# KiCad board Hub.kicad_pcb (continued)
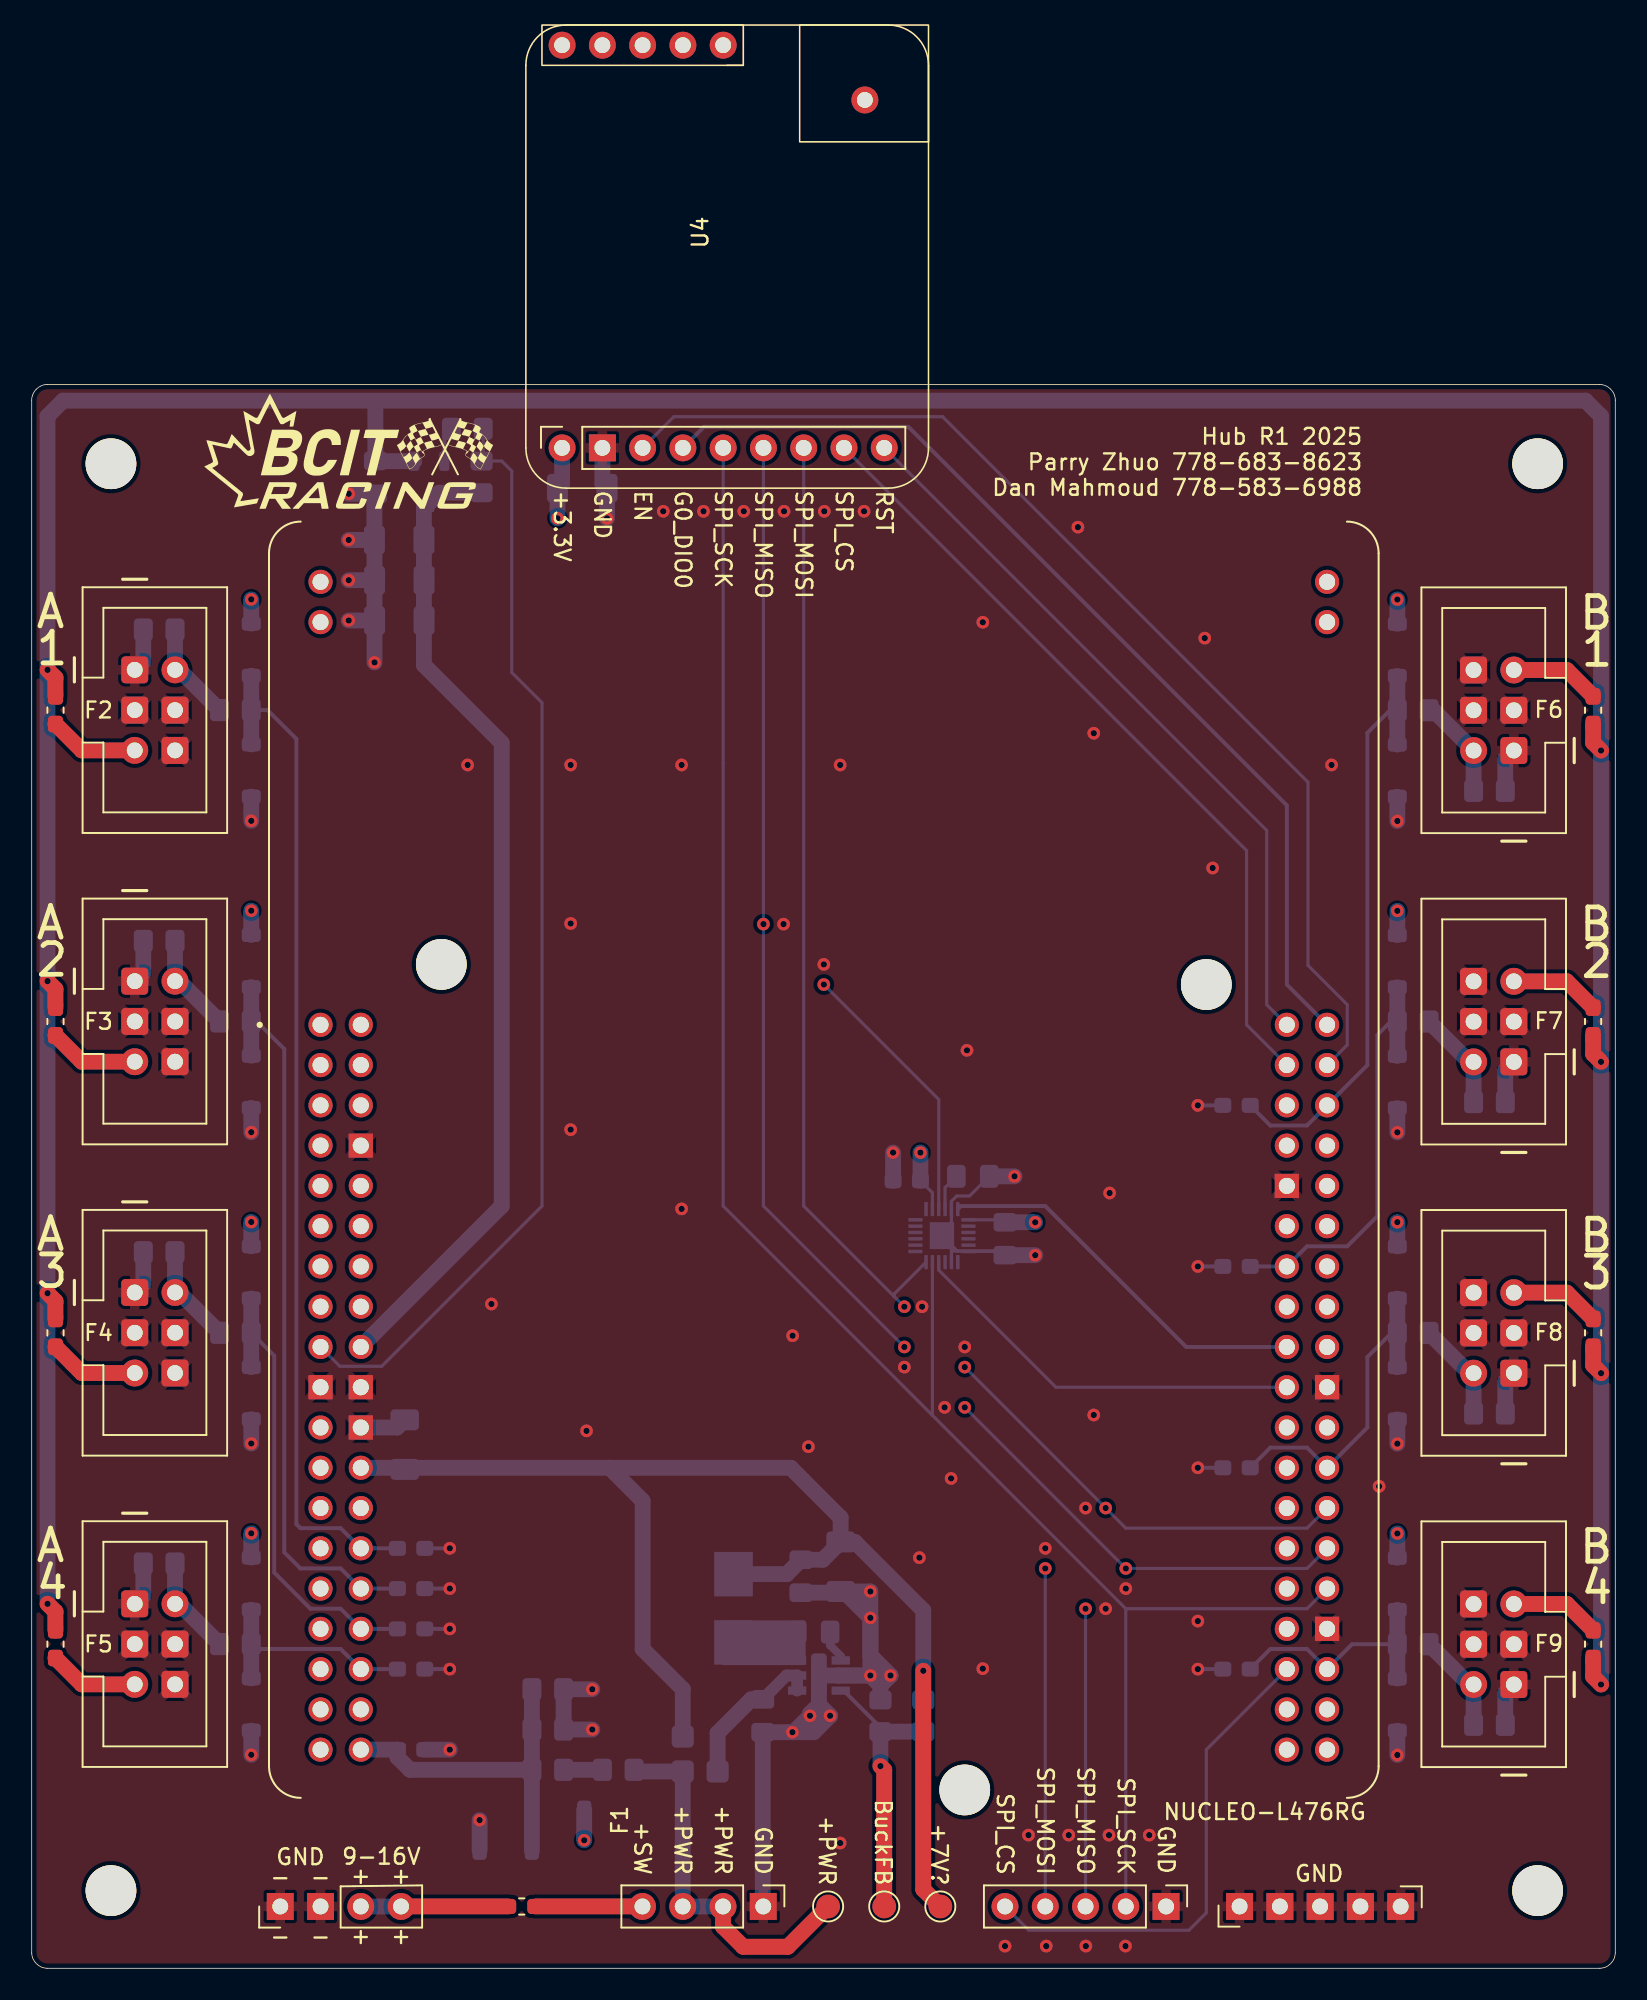
[diagram p0: board, top side]
## Library data of the parts (continued)
F2 = -: Datasheet: https://datasheets.kyocera-avx.com/AccuGuardLC_0402.pdf; Description: FUSE BOARD MOUNT 28MA 63VDC 0603; Detailed Description: 28 mA 63 V Fuse Board Mount (Cartridge Style Excluded) Surface Mount 0603 (1608 Metric); Manufacturer: KYOCERA AVX; Manufacturer Part Number: F0603G0R02FNTR; Qty Multiplier: 6; Package: 0603 (1608 Metric); DigiKey Link: https://www.digikey.ca/en/products/detail/kyocera-avx/F0603G0R02FNTR/9948432; DigiKey Part Number: 478-13097-1-ND; Mouser Link: https://www.mouser.ca/ProductDetail/KYOCERA-AVX/F0603G0R02FNTR?qs=%252BdQmOuGyFcEJ7yNI5Fr0SQ%3D%3D; Mouser Part Number: 581-F0603G0R02FNTR; ki_fp_filters: *Fuse*
F3-F9 = -: Datasheet: https://datasheets.kyocera-avx.com/AccuGuardLC_0402.pdf; Description: FUSE BOARD MOUNT 28MA 63VDC 0603; Detailed Description: 28 mA 63 V Fuse Board Mount (Cartridge Style Excluded) Surface Mount 0603 (1608 Metric); Manufacturer: KYOCERA AVX; Manufacturer Part Number: F0603G0R02FNTR; Package: 0603 (1608 Metric); DigiKey Link: https://www.digikey.ca/en/products/detail/kyocera-avx/F0603G0R02FNTR/9948432; DigiKey Part Number: 478-13097-1-ND; Mouser Link: https://www.mouser.ca/ProductDetail/KYOCERA-AVX/F0603G0R02FNTR?qs=%252BdQmOuGyFcEJ7yNI5Fr0SQ%3D%3D; Mouser Part Number: 581-F0603G0R02FNTR; ki_fp_filters: *Fuse*
H1-H4 = -: Description: Mounting Hole without connection; ki_fp_filters: MountingHole*
J3 = -: Description: External case switch header; ki_fp_filters: Connector*:*_1x??_*
J4 J5 = -: Description: Generic connector, single row, 01x05, script generated (kicad-library-utils/schlib/autogen/connector/); ki_fp_filters: Connector*:*_1x??_*
J6-J13 = -: Datasheet: https://app.adam-tech.com/products/download/data_sheet/203218/bhr-xx-vua-data-sheet.pdf; Description: CONN HEADER VERT 6POS 2.54MM; Detailed Description: Connector Header Through Hole 6 position 0.100" (2.54mm); Manufacturer: Adam Tech; Manufacturer Part Number: BHR-06-VUA; Package: n/a; DigiKey Link: https://www.digikey.ca/en/products/detail/adam-tech/BHR-06-VUA/10414837; DigiKey Part Number: 2057-BHR-06-VUA-ND; Mouser Link: https://www.mouser.ca/ProductDetail/Adam-Tech/BHR-06-VUA?qs=HoCaDK9Nz5cobId%2FEjMHxg%3D%3D; Mouser Part Number: 737-BHR-06-VUA; ki_fp_filters: Connector*:*_2x??_*
J20 = -: Description: Generic connector, single row, 01x04, script generated (kicad-library-utils/schlib/autogen/connector/); ki_fp_filters: Connector*:*_1x??_*
L1 = -: Datasheet: https://search.murata.co.jp/Ceramy/image/img/P02/JELF243A-9153.pdf; Description: FIXED IND 150UH 330MA 2.64OHM SM; Manufacturer: Murata Electronics; Manufacturer Part Number: LQH44PH151MPRL; Detailed Description: 150 µH Shielded Drum Core, Wirewound Inductor 330 mA 2.64Ohm Max 1616 (4040 Metric); Package: 1616 (4040 Metric); DigiKey Link: https://www.digikey.com/en/products/detail/murata-electronics/LQH44PH151MPRL/11690210; DigiKey Part Number: 490-LQH44PH151MPRLCT-ND; Mouser Link: https://www.mouser.ca/ProductDetail/Murata-Electronics/LQH44PH151MPRL?qs=rkhjVJ6%2F3EJ9BU%2FIW%252BFNJA%3D%3D; Mouser Part Number: 81-LQH44PH151MPRL; ki_fp_filters: Choke_* *Coil* Inductor_* L_*
Q3 = -: Datasheet: https://www.diodes.com/assets/Datasheets/ZXMP10A13F.pdf; Description: MOSFET P-CH 100V 600MA SOT23-3; Manufacturer: Diodes Incorporated; Detailed Description: P-Channel 100 V 600mA (Ta) 625mW (Ta) Surface Mount SOT-23-3; Manufacturer Part Number: ZXMP10A13FTA; Package: TO-236-3, SC-59, SOT-23-3; DigiKey Link: https://www.digikey.ca/en/products/detail/diodes-incorporated/ZXMP10A13FTA/560644; DigiKey Part Number: ZXMP10A13FTR-ND; Mouser Link: https://www.mouser.ca/ProductDetail/Diodes-Incorporated/ZXMP10A13FTA?qs=4zh0VFflF2ED5l%2FE78e7YQ%3D%3D; Mouser Part Number: 522-ZXMP10A13FTA
R1 = -: Datasheet: https://www.vishay.com/docs/20043/crcwhpe3.pdf; Description: RES SMD 0 OHM JUMPER 1/2W 0805; Detailed Description: 0 Ohms Jumper Chip Resistor 0805 (2012 Metric) Automotive AEC-Q200, Pulse Withstanding Thick Film; Manufacturer: Vishay Dale; Manufacturer Part Number: CRCW08050000Z0EA; Package: 0805 (2012 Metric); DigiKey Link: https://www.digikey.com/en/products/detail/vishay-dale/CRCW08050000Z0EAHP/2222316; DigiKey Part Number: 541-0.0TBCT-ND; Mouser Link: https://www.mouser.ca/ProductDetail/Vishay/CRCW08050000Z0EA?qs=waxnFHLl2hB4NcTp6tAQPA%3D%3D; Mouser Part Number: 71-CRCW0805-0-E3; ki_fp_filters: R_*
R2 R11 R13 R15 R17 R19 R21 R23 = -: Datasheet: https://www.vishay.com/docs/20035/dcrcwe3.pdf; Description: RES SMD 100 OHM 1% 1/8W 0805; Manufacturer Part Number: CRCW0805100RFKEA; Manufacturer: Vishay Dale; Detailed Description: 100 Ohms ±1% 0.125W, 1/8W Chip Resistor 0805 (2012 Metric) Automotive AEC-Q200 Thick Film; Package: 0805 (2012 Metric); DigiKey Link: https://www.digikey.ca/en/products/detail/vishay-dale/CRCW0805100RFKEA/1175523; DigiKey Part Number: 541-100CCT-ND; Mouser Link: https://www.mouser.ca/ProductDetail/Vishay/CRCW0805100RFKEA?qs=LOX6nxTstiYDPDKmuLyNLw%3D%3D; Mouser Part Number: 71-CRCW0805-100-E3; ki_fp_filters: R_*
R3 = -: Datasheet: https://www.vishay.com/docs/20035/dcrcwe3.pdf; Description: RES SMD 76.8K OHM 1% 1/8W 0805; Manufacturer: Vishay Dale; Manufacturer Part Number: CRCW080576K8FKEA; Detailed Description: 76.8 kOhms ±1% 0.125W, 1/8W Chip Resistor 0805 (2012 Metric) Automotive AEC-Q200 Thick Film; Package: 0805 (2012 Metric); DigiKey Link: https://www.digikey.com/en/products/detail/vishay-dale/CRCW080576K8FKEA/1175852; DigiKey Part Number: 541-76.8KCCT-ND; Mouser Link: https://www.mouser.ca/ProductDetail/Vishay/CRCW080576K8FKEA?qs=Lu3mkJd%252BoBETDVTzIaHY%2FQ%3D%3D; Mouser Part Number: 71-CRCW080576K8FKEA; ki_fp_filters: R_*
R4 = -: Datasheet: https://www.vishay.com/docs/28773/crcwce3.pdf; Description: RES 10K OHM 1% 1/8W 0805; Manufacturer Part Number: CRCW080510K0FKEAC; Manufacturer: Vishay Dale; Detailed Description: 10 kOhms ±1% 0.125W, 1/8W Chip Resistor 0805 (2012 Metric) Thick Film; Package: 0805 (2012 Metric); DigiKey Link: https://www.digikey.com/en/products/detail/vishay-dale/CRCW080510K0FKEAC/7928398; DigiKey Part Number: 541-3976-1-ND; Mouser Link: https://www.mouser.ca/ProductDetail/Vishay/CRCW080510K0FKEAC?qs=E3Y5ESvWgWORadmUijPtxQ%3D%3D; Mouser Part Number: 71-CRCW080510K0FKEAC; ki_fp_filters: R_*
R5-R9 R25 = -: Datasheet: https://www.vishay.com/docs/20035/dcrcwe3.pdf; Description: RES SMD 10K OHM 1% 1/8W 0805; Manufacturer Part Number: CRCW080510K0FKEA; Manufacturer: Vishay Dale; Detailed Description: 10 kOhms ±1% 0.125W, 1/8W Chip Resistor 0805 (2012 Metric) Automotive AEC-Q200 Thick Film; Package: 0805 (2012 Metric); DigiKey Link: https://www.digikey.ca/en/products/detail/vishay-dale/CRCW080510K0FKEA/1175751; DigiKey Part Number: 541-10.0KCCT-ND; Mouser Link: https://www.mouser.ca/ProductDetail/Vishay/CRCW080510K0FKEA?qs=LOX6nxTstiZjDFtI%2F0c8Lw%3D%3D; Mouser Part Number: 71-CRCW0805-10K-E3; ki_fp_filters: R_*
R12 R14 R16 R18 R20 R22 R24 R26 = -: Datasheet: https://www.vishay.com/docs/20035/dcrcwe3.pdf; Description: RES SMD 1M OHM 1% 1/8W 0805; Manufacturer: Vishay Dale; Manufacturer Part Number: CRCW08051M00FKEA; Detailed Description: 1 MOhms ±1% 0.125W, 1/8W Chip Resistor 0805 (2012 Metric) Automotive AEC-Q200 Thick Film; Package: 0805 (2012 Metric); DigiKey Link: https://www.digikey.ca/en/products/detail/vishay-dale/CRCW08051M00FKEA/1176016; DigiKey Part Number: 541-1.00MCCT-ND; Mouser Link: https://www.mouser.ca/ProductDetail/Vishay/CRCW08051M00FKEA?qs=1CkV0QOCgMoYllQJ5f1DKQ%3D%3D; Mouser Part Number: 71-CRCW0805-1.0M-E3; ki_fp_filters: R_*
TP1 TP2 TP4 = -: Description: test point; ki_fp_filters: Pin* Test*
U1 = -: Datasheet: https://www.st.com/content/ccc/resource/technical/document/data_brief/c8/3c/30/f7/d6/08/4a/26/DM00105918.pdf/files/DM00105918.pdf/jcr:content/translations/en.DM00105918.pdf; Description: NUCLEO-64 STM32L476RG EVAL BRD; Qty Multiplier: 2; Detailed Description: STM32L476 Nucleo-64 STM32L4 ARM® Cortex®-M4 MCU 32-Bit Embedded Evaluation Board; Manufacturer: STMicroelectronics; Package: n/a; DigiKey Link: https://www.digikey.ca/en/products/detail/stmicroelectronics/NUCLEO-L476RG/5347711; DigiKey Part Number: 497-15881-ND; Mouser Link: https://www.mouser.ca/ProductDetail/STMicroelectronics/NUCLEO-L476RG?qs=PRtH0mD6DWbM6mRV5DKjBQ%3D%3D; Mouser Part Number: 511-NUCLEO-L476RG
U2 = -: Datasheet: https://www.ti.com/lit/ds/symlink/lmr51606.pdf?ts=1704242784728&ref_url=https%253A%252F%252Fwww.ti.com%252Fproduct%252FLMR51606; Description: IC REG BUCK ADJ 600MA SOT23-6; Manufacturer: Texas Instruments; Manufacturer Part Number: LMR51606XDBVR; Detailed Description: Buck Switching Regulator IC Positive Adjustable 0.8V 1 Output 600mA SOT-23-6; Package: SOT-23-6; DigiKey Link: https://www.digikey.ca/en/products/detail/texas-instruments/LMR51606XDBVR; DigiKey Part Number: 296-LMR51606XDBVRCT-ND; Mouser Link: https://www.mouser.ca/ProductDetail/Texas-Instruments/LMR51606XDBVR?qs=mELouGlnn3eccxHdZD5yuw%3D%3D; Mouser Part Number: 595-LMR51606XDBVR; ki_fp_filters: DBV0006A-MFG-IPC_A DBV0006A-MFG-IPC_B DBV0006A-MFG-IPC_C DBV0006A-MFG
U3 = -: Datasheet: https://invensense.tdk.com/wp-content/uploads/2020/06/PS-MPU-6500A-01-v1.3.pdf; Description: IMU ACCEL/GYRO 3-AXIS I2C 24QFN; Manufacturer: TDK InvenSense; Detailed Description: Accelerometer, Gyroscope, 6 Axis Sensor I2C, SPI Output; Package: 24-VFQFN Module Exposed Pad; DigiKey Link: https://www.digikey.ca/en/products/detail/tdk-invensense/MPU-6500/4385413?gad_source=1&gad_campaignid=17336435733&gbraid=0AAAAADrbLli2X3rBYUnaU5farCoGk4chC&gclid=CjwKCAjwgb_CBhBMEiwA0p3oOGaB6BfzWoBCXH4woWaV_1k9_klLmADBx2K02ppnibgiPqFg6zX-RBoChAoQAvD_BwE&gclsrc=aw.ds; DigiKey Part Number: 1428-1011-1-ND; Mouser Link: https://www.mouser.ca/ProductDetail/TDK-InvenSense/MPU-6500?qs=u4fy%2FsgLU9PiIOIlWOSPhQ%3D%3D; Mouser Part Number: 410-MPU-6500
U4 = -: Datasheet: https://cdn-learn.adafruit.com/downloads/pdf/adafruit-rfm69hcw-and-rfm96-rfm95-rfm98-lora-packet-padio-breakouts.pdf; Description: RFM69HCW TRANSCEIVER RADIO BREAK; Detailed Description: RFM69HCW - Transceiver 868MHz, 915MHz Evaluation Board; Manufacturer: Adafruit Industries LLC; Manufacturer Part Number: 3070; Qty Multiplier: 2; Package: Module; DigiKey Link: https://www.digikey.ca/en/products/detail/adafruit-industries-llc/3070/6005355?s=N4IgTCBcDaIIIBMCGAzATgVwJYBcAEAzAAwDsRIAugL5A; DigiKey Part Number: 1528-1665-ND; Mouser Link: https://www.mouser.ca/ProductDetail/Adafruit/3070?qs=AGnqjqvSJvLhs1q9K1razA%3D%3D; Mouser Part Number: 485-3070

## Footprints (pads in the part's own frame, mm; a bottom-side part is the same pattern mirrored in y, then rotated)
Adafruit3070
  round 1.7 hole 1: 1(0,0) 10(25.4,0)
  rect 1.7x1.7 hole 1: 2(0,-2.54)
  oval 1.7x1.7 hole 1: 3(0,-5.08) 4(0,-7.62) 5(0,-10.16) 6(0,-12.7) 7(0,-15.24) 8(0,-17.78) 9(0,-20.32) 11(25.4,-2.54) 12(25.4,-5.08) 13(25.4,-7.62) 14(25.4,-10.16) 15(21.946,-19.101)
AdamTech_BHR-06-VUA
  rrect 1.7x1.7 hole 1: 1(0,0) 3(0,-2.54) 4(2.54,-2.54) 6(2.54,-5.08)
  round 1.7 hole 1: 2(2.54,0) 5(0,-5.08)
Battery_PinHeader_1x04_P2.54mm_Vertical
  rect 1.7x1.7 hole 1: 1(0,0) 2(0,-2.54)
  oval 1.7x1.7 hole 1: 3(0,-5.08) 4(0,-7.62)
BatterySwitch_PinHeader_1x04_P2.54mm_Vertical
  rect 1.7x1.7 hole 1: 1(0,0)
  oval 1.7x1.7 hole 1: 2(0,-2.54) 3(0,-5.08) 4(0,-7.62)
C_0603_1608Metric_Pad1.08x0.95mm_HandSolder
  rrect 1.075x0.95 smd: 1(-0.863,0) 2(0.863,0)
C_0805_2012Metric_Pad1.18x1.45mm_HandSolder
  rrect 1.175x1.45 smd: 1(-1.038,0) 2(1.038,0)
C_1206_3216Metric_Pad1.33x1.80mm_HandSolder
  rrect 1.325x1.8 smd: 1(-1.562,0) 2(1.562,0)
D_SOD-123
  rrect 0.9x1.2 smd: 1(-1.65,0) 2(1.65,0)
Fuse_0603_1608Metric_Pad1.05x0.95mm_HandSolder
  rrect 1.05x0.95 smd: 1(-0.875,0) 2(0.875,0)
GND_PinHeader_1x05_P2.54mm_Vertical
  rect 1.7x1.7 hole 1: 1(0,0) 2(0,-2.54) 3(0,-5.08) 4(0,-7.62) 5(0,-10.16)
LMR51603XFDBVR_DBV0006A-MFG-IPC_C
  rect 1.153x0.53 smd: 1(-1.377,0.95) 4(1.377,-0.95) 5(1.377,0) 6(1.377,0.95)
  rect 1.553x0.53 smd: 2(-1.177,0)
  rrect 1x2.8 smd: 2(0,0)
  rect 1.153x0.515 smd: 3(-1.377,-0.957)
LQH44PH151MPRL_IND_LQH44PN_PR_MUR-M
  rect 2.807x2.438 smd: 1(-2.153,0) 2(2.153,0)
MODULE_NUCLEO-L476RG
  round 3.2 hole 3.2 unplated: (7.62,3.81) (40.64,-48.26) (55.88,2.54)
  round 1.524 hole 1.016: CN7_1(0,0) CN7_2(2.54,0) CN7_3(0,-2.54) CN7_4(2.54,-2.54) CN7_5(0,-5.08) CN7_6(2.54,-5.08) CN7_7(0,-7.62) CN7_9(0,-10.16) CN7_10(2.54,-10.16) CN7_11(0,-12.7) CN7_12(2.54,-12.7) CN7_13(0,-15.24) CN7_14(2.54,-15.24) CN7_15(0,-17.78) CN7_16(2.54,-17.78) CN7_17(0,-20.32) CN7_18(2.54,-20.32) CN7_21(0,-25.4) CN7_23(0,-27.94) CN7_24(2.54,-27.94) CN7_25(0,-30.48) CN7_26(2.54,-30.48) CN7_27(0,-33.02) CN7_28(2.54,-33.02) CN7_29(0,-35.56) CN7_30(2.54,-35.56) CN7_31(0,-38.1) CN7_32(2.54,-38.1) CN7_33(0,-40.64) CN7_34(2.54,-40.64) CN7_35(0,-43.18) CN7_36(2.54,-43.18) CN7_37(0,-45.72) CN7_38(2.54,-45.72) CN10_1(60.96,0) CN10_2(63.5,0) CN10_3(60.96,-2.54) CN10_4(63.5,-2.54) CN10_5(60.96,-5.08) CN10_6(63.5,-5.08) CN10_7(60.96,-7.62) CN10_8(63.5,-7.62) CN10_10(63.5,-10.16) CN10_11(60.96,-12.7) CN10_12(63.5,-12.7) CN10_13(60.96,-15.24) CN10_14(63.5,-15.24) CN10_15(60.96,-17.78) CN10_16(63.5,-17.78) CN10_17(60.96,-20.32) CN10_18(63.5,-20.32) CN10_19(60.96,-22.86) CN10_21(60.96,-25.4) CN10_22(63.5,-25.4) CN10_23(60.96,-27.94) CN10_24(63.5,-27.94) CN10_25(60.96,-30.48) CN10_26(63.5,-30.48) CN10_27(60.96,-33.02) CN10_28(63.5,-33.02) CN10_29(60.96,-35.56) CN10_30(63.5,-35.56) CN10_31(60.96,-38.1) CN10_33(60.96,-40.64) CN10_34(63.5,-40.64) CN10_35(60.96,-43.18) CN10_36(63.5,-43.18) CN10_37(60.96,-45.72) CN10_38(63.5,-45.72) CN11_1(63.5,27.94) CN11_2(63.5,25.4) CN12_1(0,27.94) CN12_2(0,25.4)
  rect 1.524x1.524 hole 1.016: CN7_8(2.54,-7.62) CN7_19(0,-22.86) CN7_20(2.54,-22.86) CN7_22(2.54,-25.4) CN10_9(60.96,-10.16) CN10_20(63.5,-22.86) CN10_32(63.5,-38.1)
MountingHole_3.2mm_M3
  round 3.2 hole 3.2 unplated: (0,0)
MPU-6500_QFN40P300X300X95-25N
  rrect 0.894x0.22 smd: 1(-1.672,1) 2(-1.672,0.6) 3(-1.672,0.2) 4(-1.672,-0.2) 5(-1.672,-0.6) 6(-1.672,-1) 13(1.672,-1) 14(1.672,-0.6) 15(1.672,-0.2) 16(1.672,0.2) 17(1.672,0.6) 18(1.672,1)
  rrect 0.22x0.894 smd: 7(-1,-1.672) 8(-0.6,-1.672) 9(-0.2,-1.672) 10(0.2,-1.672) 11(0.6,-1.672) 12(1,-1.672) 19(1,1.672) 20(0.6,1.672) 21(0.2,1.672) 22(-0.2,1.672) 23(-0.6,1.672) 24(-1,1.672)
  rect 1.54x1.7 smd: 25(0,0)
R_0805_2012Metric_Pad1.20x1.40mm_HandSolder
  rrect 1.2x1.4 smd: 1(-1,0) 2(1,0)
SPIExtra_PinHeader_1x05_P2.54mm_Vertical
  rect 1.7x1.7 hole 1: 1(0,0)
  oval 1.7x1.7 hole 1: 2(0,-2.54) 3(0,-5.08) 4(0,-7.62) 5(0,-10.16)
TestPoint_Pad_D1.5mm
  round 1.5 smd: 1(0,0)
TSOT-23
  rrect 1.22x0.65 smd: 1(-1.31,0.95) 2(-1.31,-0.95) 3(1.31,0)
ZeroOhmSwitch_R_0805_2012Metric_Pad1.20x1.40mm_HandSolder
  rrect 1.4x1.4 smd: 1(0,0) 2(2.2,0) 3(0,-2.2)

## Nets
+3.3V: C10.1 C12.1 C24.1 D1.1 D3.1 D5.1 D7.1 D9.1 D11.1 D13.1 D15.1 D17.1 U1.CN7_5 U1.CN7_16 U3.8 U3.13 U4.1
+5V: C1.1 C20.1 C21.1 Q3.3 R8.2 U1.CN7_18
+VBattery: J3.2 J3.3 R1.1 R5.2 TP1.1
+VBattery_or_7V: C4.1 C5.1 C22.1 L1.2 R1.3 R3.2 TP4.1 U1.CN7_24
GND: C1.2 C2.2 C4.2 C5.2 C6.2 C7.2 C8.2 C9.2 C10.2 C11.2 C12.2 C13.2 C14.1 C15.2 C16.2 C17.2 C18.2 C20.2 C21.2 C22.2 C24.2 D2.2 D4.2 D6.2 D8.2 D10.2 D12.2 D14.2 D16.2 D18.2 J3.1 J4.1 J5.1 J5.2 J5.3 J5.4 J5.5 J6.1 J6.3 J6.4 J6.6 J7.1 J7.3 J7.4 J7.6 J8.1 J8.3 J8.4 J8.6 J9.1 J9.3 J9.4 J9.6 J10.1 J10.3 J10.4 J10.6 J11.1 J11.3 J11.4 J11.6 J12.1 J12.3 J12.4 J12.6 J13.1 J13.3 J13.4 J13.6 J20.1 J20.2 R4.1 R6.1 R9.1 R12.2 R14.2 R16.2 R18.2 R20.2 R22.2 R24.2 R26.2 U1.CN7_8 U1.CN7_19 U1.CN7_20 U1.CN7_22 U1.CN10_9 U1.CN10_20 U1.CN10_32 U2.2 U3.11 U3.18 U3.20 U3.25 U4.2
/AIn_BatteryV: C6.1 D17.2 D18.1 R6.2 R7.1 R9.2 U1.CN7_38
/AIn_StrainV_1: C8.1 D1.2 D2.1 R2.1 U1.CN7_28
/AIn_StrainV_2: C9.1 D3.2 D4.1 R11.1 U1.CN7_30
/AIn_StrainV_3: C11.1 D5.2 D6.1 R13.1 U1.CN7_32
/AIn_StrainV_4: C13.1 D7.2 D8.1 R15.1 U1.CN7_34
/AIn_StrainV_5: C15.1 D9.2 D10.1 R17.1 U1.CN10_6
/AIn_StrainV_6: C16.1 D11.2 D12.1 R19.1 U1.CN10_13
/AIn_StrainV_7: C17.1 D13.2 D14.1 R21.1 U1.CN10_24
/AIn_StrainV_8: C18.1 D15.2 D16.1 R23.1 U1.CN10_34
/BuckFB: R3.1 R4.2 TP2.1 U2.3
/BuckSW: C3.2 L1.1 U2.6
/GPInterruptPB6_MPU: U1.CN10_17 U3.12
/GPInterruptPC8_ANT_DIO0: U1.CN10_2 U4.4
/GPIO_ANT_Enable: U1.CN10_4 U4.3
/GPIO_ANT_Reset: U1.CN10_1 U4.9
/GPIO_ANT_SPI_CS: U1.CN10_3 U4.8
/GPIO_Extra_SPI_CS: J4.5 U1.CN10_33
/SPI2_MISO: J4.3 U1.CN10_28 U3.9 U4.6
/SPI2_MOSI: J4.4 U1.CN10_26 U3.24 U4.7
/SPI2_SCK: J4.2 U1.CN10_30 U3.23 U4.5
/~{GPIO_MPU_SPI_CS}: U1.CN10_19 U3.22
/~{GPIO_StrainV_Enable_5VTolerant}: R8.1 R25.2 U1.CN7_17
Net-(J3-Pin_4): F1.2 J3.4
Net-(J6-Pin_2): J6.2 R2.2 R12.1
Net-(J6-Pin_5): F2.2 J6.5
Net-(J7-Pin_2): J7.2 R11.2 R14.1
Net-(J7-Pin_5): F3.2 J7.5
Net-(J8-Pin_2): J8.2 R13.2 R16.1
Net-(J8-Pin_5): F4.2 J8.5
Net-(J9-Pin_2): J9.2 R15.2 R18.1
Net-(J9-Pin_5): F5.2 J9.5
Net-(J10-Pin_2): J10.2 R17.2 R20.1
Net-(J10-Pin_5): F6.2 J10.5
Net-(J11-Pin_2): J11.2 R19.2 R22.1
Net-(J11-Pin_5): F7.2 J11.5
Net-(J12-Pin_2): J12.2 R21.2 R24.1
Net-(J12-Pin_5): F8.2 J12.5
Net-(J13-Pin_2): J13.2 R23.2 R26.1
Net-(J13-Pin_5): F9.2 J13.5
Net-(J20-Pin_3): F1.1 J20.3 J20.4
Net-(Q3-D): C7.1 F2.1 F3.1 F4.1 F5.1 F6.1 F7.1 F8.1 F9.1 Q3.1
Net-(Q3-G): Q3.2 R25.1
Net-(R5-Pad1): R5.1 R7.2
Net-(U2-CB): C3.1 U2.1
Net-(U2-EN): C2.1 R1.2 U2.4 U2.5
Net-(U3-REGOUT): C14.2 U3.10

Pads without a net: U1 CN7_1 CN7_2 CN7_3 CN7_4 CN7_6 CN7_7 CN7_9 CN7_10 CN7_11 CN7_12 CN7_13 CN7_14 CN7_15 CN7_21 CN7_23 CN7_25 CN7_26 CN7_27 CN7_29 CN7_31 CN7_33 CN7_35 CN7_36 CN7_37 CN10_5 CN10_7 CN10_8 CN10_10 CN10_11 CN10_12 CN10_14 CN10_15 CN10_16 CN10_18 CN10_21 CN10_22 CN10_23 CN10_25 CN10_27 CN10_29 CN10_31 CN10_35 CN10_36 CN10_37 CN10_38 CN11_1 CN11_2 CN12_1 CN12_2; U3 1 2 3 4 5 6 7 14 15 16 17 19 21; U4 10 11 12 13 14 15

## Via types
v1: diameter 0.8, hole 0.4, Top to Bottom, 116 vias
v2: diameter 0.9, hole 0.4, Top to Bottom, 2 vias

## Routing (per net, layer and track width the routed paths; a pad name or vN(x,y) marks a point on that pad's centre or on a via; arc(x,y) is an arc through that point)
+3.3V: length 26.8
  Bottom w0.2: C10.1 61.24,47.21 U3.13 ; C12.1 56.82,48.92 U3.8
  Bottom w1: v1(33.17,91.46) C24.1 33.46,93.65 U4.1 ; D5.1 v1(13.85,47.07) ; v1(86.15,47.06) D13.1 ; D17.1 v1(34.85,8.08) ; D3.1 v1(13.85,66.71) ; C10.1 v1(63.31,47.05) ; v1(13.85,27.44) D7.1 ; D9.1 v1(86.15,86.34) ; v1(86.15,27.43) D15.1 ; D1.1 v1(13.85,86.34) ; D11.1 v1(86.15,66.7) ; C12.1 v1(56.07,51.45)
+5V: length 62.7
  Bottom w1: U1.CN7_18 29.65,48.08 29.65,77.29 24.74,82.2 24.74,92.1 Q3.3 25.71,93.07 R8.2
+VBattery: length 23.6
  Top w1: J3.2 43.61,2.63 44.88,1.36 47.7,1.36 TP1.1
  Bottom w1: R5.2 38.1,12.42 R1.1 J3.3 J3.2
+VBattery_or_7V: length 87.5
  Top w1: v2(56.25,18.77) 56.25,4.97 TP4.1
  Bottom w1: C5.1 51.93,26.89 56.25,22.58 v2(56.25,18.77) R3.2 ; C5.1 51.03,28.43 47.88,31.57 36.46,31.57 ; C5.1 49.91,25.77 C4.1 47.62,24.86 L1.2 ; 36.46,31.57 38.54,29.48 38.54,20.14 41.07,17.61 R1.3 ; 36.46,31.57 U1.CN7_24
GND: length 168.3
  In1.Cu w0.2: v1(69.02,23.95) v1(67.75,22.68) ; v1(66.48,29.03) v1(63.94,26.49) ; v1(58.86,39.19) 58.71,39.19 v1(56.17,41.73) ; v1(49.97,63.32) v1(47.43,65.86) ; v1(55.05,37.92) v1(57.59,35.38)
  Bottom w0.2: 61.14,45.24 58.39,45.24 U3.25 ; 61.14,45.24 58.13,45.24 58.02,45.35 ; 61.14,45.24 C10.2 61.17,45.21 U3.18 ; C14.1 59.17,48.72 58.35,48.72 58.02,48.38 U3.11 58.02,46.81 U3.25 ; U3.25 58.02,45.61 58.02,45.35 ; 58.02,45.35 U3.20
  Bottom w0.25: C18.2 v1(73.56,18.87) ; v1(26.38,18.87) C13.2 ; v1(26.38,21.41) C11.2 ; v1(26.38,23.95) C9.2 ; C16.2 v1(73.56,44.27) ; C17.2 v1(73.56,31.57) ; C15.2 v1(73.56,54.43) ; v1(26.38,26.49) C8.2
  Bottom w1: D18.2 v1(28.25,9.34) ; v1(54.18,18.47) 52.91,19.74 v1(52.91,22.1) ; v1(54.18,18.47) U2.2 ; v1(54.18,18.47) 53.54,17.83 ; U4.2 36,93.65 C24.2 v1(36.29,91.46) ; v1(21.63,82.37) 21.63,89.83 21.62,89.84 21.62,92.94 C7.2 v1(20,93) ; D6.2 v1(13.85,33.1) ; C22.2 23.04,34.11 U1.CN7_22 ; J13.1 92.96,17.36 R26.2 ; v1(52.91,22.1) 51.32,23.69 C4.2 ; v1(52.91,22.1) v1(52.91,23.77) C5.2 ; v1(52.91,22.1) v1(52.91,18.47) ; D10.2 v1(86.15,72.37) ; R22.2 92.96,56.63 J11.1 ; C10.2 v1(63.31,44.98) ; U2.2 v1(52.91,18.47) ; U2.2 U2.2 49.66,16.63 ; 46.12,3.9 C2.2 48.06,14.89 v1(49.1,15.93) ; R20.2 92.96,76.27 J10.1 ; v1(49.1,15.93) 49.1,16.07 49.66,16.63 ; v1(49.1,15.93) v1(50.37,15.93) ; v1(35.37,15.06) R9.1 R6.1 v1(35.37,17.6) ; C12.2 v1(54.34,51.45) ; D16.2 v1(86.15,13.46) ; R14.2 7.04,62.8 J7.1 ; D8.2 v1(13.85,13.47) ; R4.1 53.54,17.83 ; 53.54,17.83 v1(52.91,18.47) ; C6.2 v1(26.38,13.79) ; v1(50.37,15.93) 49.33,14.89 v1(47.99,14.89) ; v1(50.37,15.93) 49.66,16.63 ; D14.2 v1(86.15,33.09) ; J8.1 7.04,43.17 R16.2 ; J9.1 7.04,23.53 R18.2 ; C21.2 v1(20,87.55) ; C1.2 v1(20,90.09) ; v1(62,49.95) C14.1 ; C20.2 v1(20,85.01) ; D12.2 v1(86.15,52.73) ; J6.1 7.04,82.44 R12.2 ; v1(13.85,52.74) D4.2 ; D2.2 v1(13.85,72.38) ; R24.2 92.96,37 J12.1
  vias: v1(27.5,75.9) v1(29,41.9) v1(34,75.9) v1(34,65.9) v1(34,52.9) v1(35,33.9) v1(39.84,91.9) v1(41,75.9) v1(41,47.9) v1(42.38,91.9) v1(44.92,91.9) v1(47.46,91.9) v1(48,39.9) v1(49,32.9) v1(50,91.9) v1(51,75.9) v1(51,7.9) v1(52.51,91.9) v1(56,25.9) v1(58,30.9) v1(59,57.9) v1(60,84.9) v1(60,18.9) v1(61.4,1.4) v1(62.88,8.4) v1(64,1.4) v1(65.42,8.4) v1(66,90.9) v1(66.5,1.4) v1(67,77.9) v1(67,34.9) v1(68,48.9) v1(67.96,8.4) v1(69,1.4) v1(70.5,8.4) v1(73.56,21.9) v1(74,83.9) v1(74.5,69.4) v1(82,75.9) v1(85,30.4)
/AIn_BatteryV: length 21.8
  Bottom w1: U1.CN7_38 C6.1 23.07,13.32 23.87,12.52 R7.1 ; R6.2 D18.1
/AIn_StrainV_1: length 64.5
  Bottom w0.25: R2.1 14.88,79.36 16.7,77.54 16.7,28.01 16.95,27.76 19.49,27.76 U1.CN7_28 C8.1
  Bottom w1: D1.2 D2.1
/AIn_StrainV_2: length 47
  Bottom w0.25: 23.07,23.98 C9.1 U1.CN7_30 19.49,25.22 16.95,25.22 15.93,26.24 15.93,57.99 14.2,59.72 R11.1
  Bottom w1: D4.1 D3.2
/AIn_StrainV_3: length 29.3
  Bottom w0.25: C11.1 U1.CN7_32 19.49,22.68 17.58,22.68 15.3,24.97 15.3,38.64 R13.1
  Bottom w1: D6.1 D5.2
/AIn_StrainV_4: length 14.2
  Bottom w0.25: C13.1 U1.CN7_34 19.49,20.14 14.16,20.14 R15.1
  Bottom w1: D7.2 D8.1
/AIn_StrainV_5: length 37.3
  Bottom w0.25: R17.1 85.69,79.35 84.26,77.93 84.26,56.97 U1.CN10_6 80.45,53.16 78.14,53.16 C15.1
  Bottom w1: D10.1 D9.2
/AIn_StrainV_6: length 26.7
  Bottom w0.25: R19.1 85.73,59.71 84.9,58.88 84.9,47.45 82.99,45.54 80.45,45.54 U1.CN10_13 C16.1
  Bottom w1: D11.2 D12.1
/AIn_StrainV_7: length 20.8
  Bottom w0.25: C17.1 78.14,32.84 80.45,32.84 U1.CN10_24 ; R21.1 85.78,40.08 84.26,38.56 84.26,34.11 U1.CN10_24 ; U1.CN10_24 81.74,31.59
  Bottom w1: D13.2 D14.1
/AIn_StrainV_8: length 15.3
  Bottom w0.25: C18.1 78.14,20.14 80.45,20.14 U1.CN10_34 83.29,20.44 R23.1
  Bottom w1: D15.2 D16.1
/BuckFB: length 17.6
  Top w1: v2(53.54,12.75) 53.78,12.51 TP2.1
  Bottom w0.25: U2.3 51.22,17.51 53.54,15.19 R4.2
  Bottom w1: R3.1 R4.2 v2(53.54,12.75)
/GPInterruptPB6_MPU: length 24.5
  Bottom w0.25: U3.12 58.62,48.08 63.94,48.08 72.83,39.19 U1.CN10_17
/GPInterruptPC8_ANT_DIO0: length 63.4
  Bottom w0.25: U1.CN10_2 79.18,62.05 79.18,73.35 55.3,97.23 42.41,97.23 U4.4
/GPIO_ANT_Enable: length 71.7
  Bottom w0.2: U1.CN10_4 82.99,58.24 82.99,60.78 80.51,63.26 80.51,74.81 57.46,97.86 40.5,97.86 U4.3
/GPIO_ANT_Reset: length 46.9
  Bottom w0.2: U4.9 77.91,71.77 77.91,60.78 U1.CN10_1
/GPIO_ANT_SPI_CS: length 50.5
  Bottom w0.2: U4.8 76.64,70.5 76.64,59.51 U1.CN10_3
/GPIO_Extra_SPI_CS: length 31.3
  Bottom w0.2: U1.CN10_33 74.1,13.79 74.1,3.5 73,2.4 62.9,2.4 J4.5
/SPI2_MISO: length 138.3
  In1.Cu w0.2: v1(55.05,39.19) v1(58.86,35.38) ; v1(46.16,65.86) v1(49.97,62.05) ; v1(69.02,25.22) v1(66.48,22.68)
  Bottom w0.2: v1(49.97,62.05) 57.22,54.8 U3.9 ; U4.6 v1(46.16,65.86) 46.16,48.08 v1(55.05,39.19) ; U1.CN10_28 80.45,25.22 v1(69.02,25.22) v1(58.86,35.38) ; v1(66.48,22.68) J4.3
/SPI2_MOSI: length 119.5
  In1.Cu w0.2: v1(55.05,41.73) v1(58.86,37.92) ; v1(63.94,25.22) v1(67.75,29.03)
  Bottom w0.2: J4.4 v1(63.94,25.22) ; 54.41,42.37 v1(55.05,41.73) ; 54.41,42.37 48.7,48.08 U4.7 ; 54.41,42.37 54.41,42.54 U3.24 ; v1(58.86,37.92) 69.02,27.76 80.45,27.76 U1.CN10_26
/SPI2_SCK: length 125.4
  Bottom w0.2: U4.5 43.62,48.08 56.82,34.88 ; U1.CN10_30 80.45,22.68 69.02,22.68 ; 56.82,34.88 U3.23 ; 56.82,34.88 69.02,22.68 ; 69.02,22.68 J4.2
/~{GPIO_MPU_SPI_CS}: length 25.5
  Bottom w0.2: U3.22 57.22,44.04 64.61,36.65 U1.CN10_19
/~{GPIO_StrainV_Enable_5VTolerant}: length 70
  Bottom w0.2: U1.CN7_17 19.44,37.97 22.08,37.97 32.19,48.08 32.19,79.83 30.28,81.74 30.28,94.44 29.65,95.07 R8.1 28.48,95.17 R25.2
Net-(J3-Pin_4): length 6.7
  Top w1: F1.2 J3.4
Net-(J6-Pin_2): length 6.4
  Bottom w1: R12.1 J6.2 9.31,81.9 R2.2
Net-(J6-Pin_5): length 5.7
  Top w1: J6.5 3.16,76.82 F2.2
Net-(J7-Pin_2): length 6.4
  Bottom w1: R14.1 J7.2 9.31,62.26 R11.2
Net-(J7-Pin_5): length 5.7
  Top w1: J7.5 3.16,57.18 F3.2
Net-(J8-Pin_2): length 6.4
  Bottom w1: R16.1 J8.2 9.31,42.63 R13.2
Net-(J8-Pin_5): length 5.7
  Top w1: J8.5 3.16,37.55 F4.2
Net-(J9-Pin_2): length 6.4
  Bottom w1: R15.2 9.31,22.99 J9.2 R18.1
Net-(J9-Pin_5): length 5.7
  Top w1: J9.5 3.16,17.91 F5.2
Net-(J10-Pin_2): length 6.8
  Bottom w1: J10.2 88.42,79.35 R17.2 ; J10.2 90.71,76.56 ; J10.2 R20.1
Net-(J10-Pin_5): length 5.7
  Top w1: F6.2 96.84,81.89 J10.5
Net-(J11-Pin_2): length 6.8
  Bottom w1: R19.2 90.69,57.17 J11.2 ; J11.2 90.71,56.92 ; J11.2 R22.1
Net-(J11-Pin_5): length 5.7
  Top w1: F7.2 96.84,62.25 J11.5
Net-(J12-Pin_2): length 6.4
  Bottom w1: R21.2 90.69,37.54 J12.2 R24.1
Net-(J12-Pin_5): length 5.7
  Top w1: F8.2 96.84,42.62 J12.5
Net-(J13-Pin_2): length 6.4
  Bottom w1: R23.2 90.69,17.9 J13.2 R26.1
Net-(J13-Pin_5): length 5.7
  Top w1: F9.2 96.84,22.98 J13.5
Net-(J20-Pin_3): length 9.3
  Top w1: F1.1 J20.4
  Bottom w1: J20.4 J20.3
Net-(Q3-D): length 274.8
  Top w1: F7.1 98.5,57.67 v1(99,57.17) ; F6.1 98.5,77.31 v1(99,76.81) ; F4.1 1.5,42.08 v1(1,42.58) ; v1(99,17.9) 98.5,18.4 F9.1 ; F8.1 98.5,38.04 v1(99,37.54) ; v1(1,81.9) 1.5,81.4 F2.1 ; F5.1 1.5,22.49 v1(1,22.99) ; F3.1 1.5,61.76 v1(1,62.26)
  Bottom w1: v1(1,22.99) 1,97.9 1.98,98.88 98.02,98.88 99,97.9 v1(99,17.9) ; 21.68,98.75 C7.1 21.7,95.06 Q3.1
Net-(Q3-G): length 2.2
  Bottom w0.2: 26.04,95.07 Q3.2
  Bottom w0.25: R25.1 26.03,96.65 Q3.2
Net-(R5-Pad1): length 2.4
  Bottom w1: R5.1 R7.2
Net-(U2-CB): length 2.1
  Bottom w0.5: U2.1 51.04,19.7 50.37,20.37 50.37,20.38 C3.1
Net-(U2-EN): length 10.7
  Bottom w0.75: U2.4 U2.5 47.62,18.47 C2.1 46.67,17.52
  Bottom w1: R1.2 43.27,14.84 45.39,16.97 C2.1
Net-(U3-REGOUT): length 2.4
  Bottom w0.2: U3.10 57.62,49.24 C14.2

## Copper pours and planes (outline as drawn; the poured copper is in the pictures)
+3.3V on In1.Cu: 10.86,-12.1 89.14,-12.1 89.14,111.9 10.86,111.9
GND on Top: 105,104.9 -5,104.9 -5,-5.1 105,-5.1
GND on In1.Cu: -9.97,-12.84 110.22,-12.84 110.22,111.16 -9.97,111.16
GND on In2.Cu: -15,-15.1 115,-15.1 115,114.9 -15,114.9

## Text on the board
B.Silkscreen: GND | 1 | 2 | 3 | 4 | B | A
F.Silkscreen: GND | NUCLEO-L476RG | Hub R1 2025 / Parry Zhuo 778-683-8623 / Dan Mahmoud 778-583-6988 | +PWR | BuckFB | +7V? | 1 | 2 | 3 | 4 | A | B
User.9: { / "ViaStitching": "0.2", / "Antenna Ground Plane": { / "HSpacing": "1", / "VSpacing": "1", / "HOffset": "0", / "VOffset": "0", / "Clearance": "0", / "Randomize": false / } / } | { / "ViaStitching": "0.2", / "Antenna Ground Plane": { / "HSpacing": "1", / "VSpacing": "1", / "HOffset": "0", / "VOffset": "0", / "Clearance": "10", / "Randomize": false / } / } | { / "ViaStitching": "0.2", / "Antenna Ground Plane": { / "HSpacing": "1", / "VSpacing": "1", / "HOffset": "0", / "VOffset": "0", / "Clearance": "2.5", / "Randomize": false / } / } | { / "ViaStitching": "0.2", / "Antenna Ground Plane": { / "HSpacing": "1", / "VSpacing": "1", / "HOffset": "0", / "VOffset": "0", / "Clearance": "5", / "Randomize": false / } / }
